# Altium PCB BLDC_Motor_Controller.PcbDoc (continued)
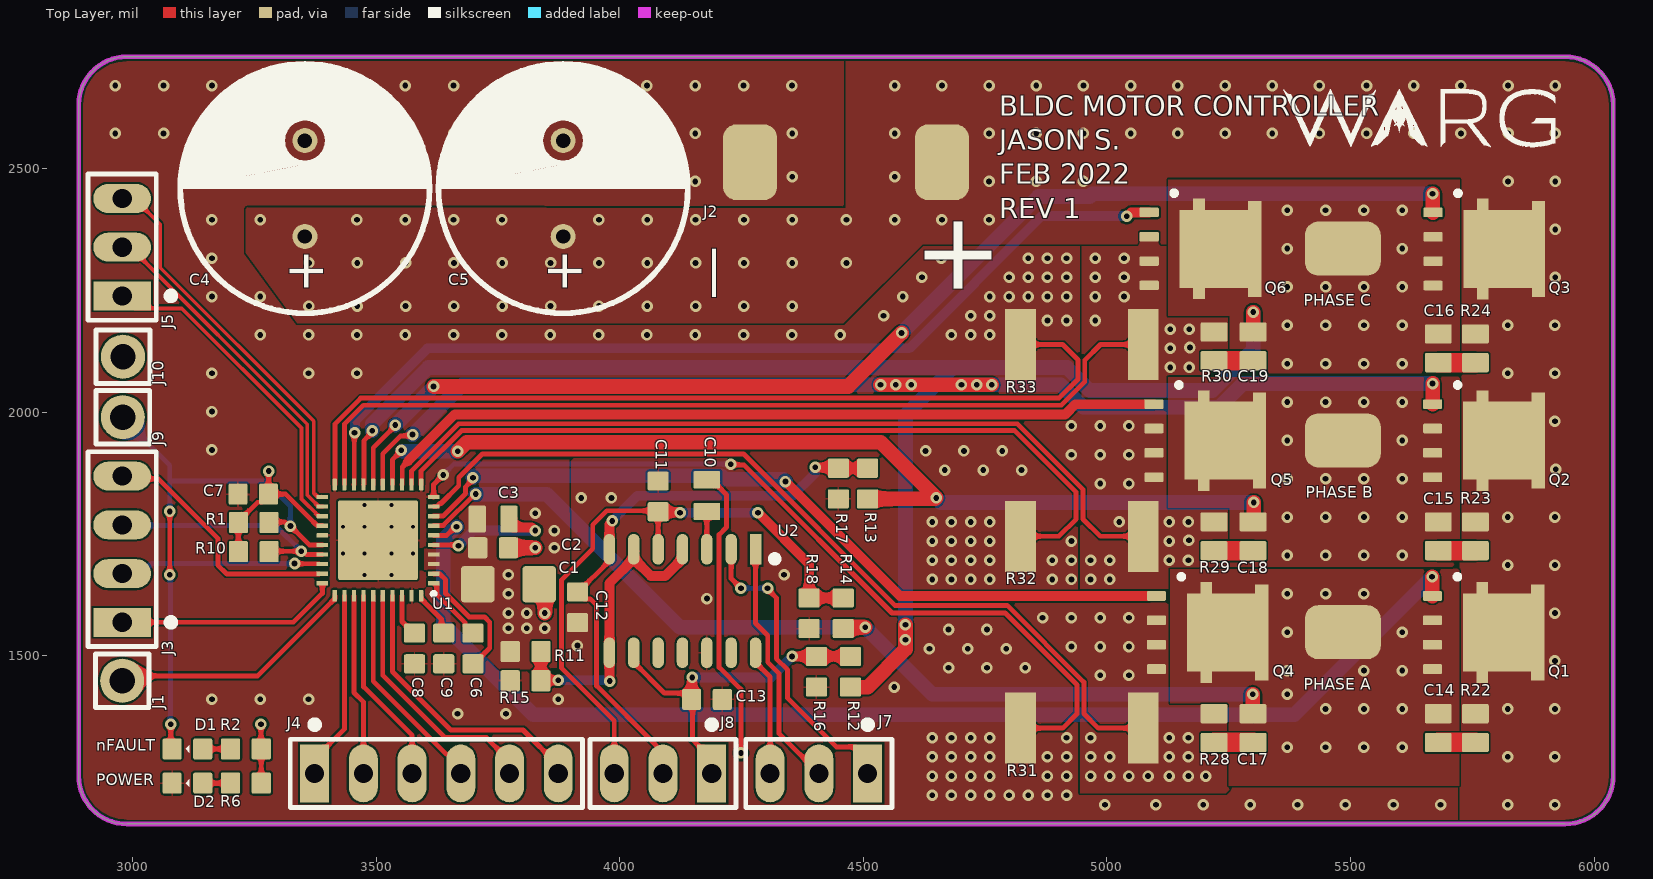
[diagram p0: Top Layer view]
## Part data
C1: library part CAP_10uF_50V_1206_MURATA, "CAP CER 10UF 50V X5R ±20% 1206", Manufacturer 1="Murata Electronics", Manufacturer Part Number 1=GRT31CR61H106ME01L, Package=1206, Supplier Part Number 1=490-12457-1-ND, Temperature Coefficient=X5R, Tolerance=±20%, Voltage=50V, Mounting Type="Surface Mount", Supplier 1=Digi-Key
C2: library part CAP_0.1uF_50V_0603_KEMET, "CAP CER 0.1UF 50V X7R ±10% 0603", LCSC Part #=C129621, Manufacturer 1=KEMET, Manufacturer Part Number 1=C0603C104K5RACAUTO, Package=0603, Temperature Coefficient=X7R, Tolerance=±10%, Voltage=50V, Mounting Type="Surface Mount", Supplier 1=LCSC, Supplier Part Number 1=C129621
C3 C10: library part CAP_1uF_50V_0805_MURATA, "CAP CER 1UF 50V X7R ±10% 0805", Manufacturer 1="Murata Electronics", Manufacturer Part Number 1=GCJ21BR71H105KA01L, Package=0805, Supplier Part Number 1=490-10667-1-ND, Temperature Coefficient=X7R, Tolerance=±10%, Voltage=50V, Mounting Type="Surface Mount", Supplier 1=Digi-Key
C4 C5: "Aluminum Electrolytic Capacitor, Polarized, Aluminum 35V, 20% +Tol, 20% -Tol, 680uF, Through Hole Mount", Capacitance=680uF, Case/Package=Radial, Manufacturer=Rubycon, Manufacturer Part Number=35ZLG680MEFC12.5X20, Max Operating Temperature=105°C, Min Operating Temperature=-40°C, Package Quantity=1000, Ripple Current=2.48A, Supplier Part Number 1=1189-3696-ND, Tolerance=20%, Voltage Rating=35V, Category="Aluminum Electrolytic Capacitors", ComponentLink1Description=http://www.rubycon.co.jp/en/catalog/e_pdfs/aluminum/e_zlg.pdf?src-supplier=Digi-Key, ComponentLink1URL=http://www.rubycon.co.jp/en/catalog/e_pdfs/aluminum/e_zlg.pdf?src-supplier=Digi-Key, Diameter=12.5mm, Height=20mm, Height - Seated (Max)=0.866inch, Impedance=13mR, Lead Pitch=0.197inch, Life (Hours)=5000Hour, Mount="Through Hole", Packaging=Bulk, Pricing 1="1=1.10000, 10=0.86900, 50=0.75280, 100=0.65150, 500=0.49226, 1000=0.43436, 2500=0.40540, 5000=0.39092 (USD)", RoHS=Yes, RoHS Compliant=Yes, Series=ZLG, Stock 1=1633, Supplier 1=Digi-Key, Voltage Rating (DC)=35V
C6: "C0603C 47nF Ceramic Multilayer Capacitor; 50 VDC; +125degC; X7R Dielec; +/-10%", Capacitance=47nF, Case Code (Imperial)=0603, Case Code (Metric)=1608, Dielectric=X7R, Dielectric Material=Ceramic, Manufacturer=KEMET, Manufacturer Part Number=C0603C473K5RACTU, Max Operating Temperature=125°C, Min Operating Temperature=-55°C, Package Quantity=1, Supplier Part Number 1=399-C0603C473K5RAC7867CT-ND, Tolerance=10%, Voltage=50V, Case/Package=0603, Category="Ceramic Capacitors", ComponentLink1Description=https://datasheet.ciiva.com/6074/1776093-6074329.pdf?src-supplier=Farnell, ComponentLink1URL=https://datasheet.ciiva.com/6074/1776093-6074329.pdf?src-supplier=Farnell, ComponentLink2Description=https://datasheet.ciiva.com/28682/1851736-28682298.pdf?src-supplier=Element14, ComponentLink2URL=https://datasheet.ciiva.com/28682/1851736-28682298.pdf?src-supplier=Element14, ComponentLink3Description=https://datasheet.ciiva.com/18193/getdatasheetpartid-94279-18193115.pdf?src-supplier=Verical, ComponentLink3URL=https://datasheet.ciiva.com/18193/getdatasheetpartid-94279-18193115.pdf?src-supplier=Verical, ComponentLink4Description=https://datasheet.ciiva.com/7823/1776093-7823803.pdf?src-supplier=Element14, ComponentLink4URL=https://datasheet.ciiva.com/7823/1776093-7823803.pdf?src-supplier=Element14, ComponentLink5Description=https://datasheet.ciiva.com/7823/1776093-7823804.pdf?src-supplier=Element14, ComponentLink5URL=https://datasheet.ciiva.com/7823/1776093-7823804.pdf?src-supplier=Element14, Construction=Flat, Depth=0.8mm, Dissipation Factor=2.5%, Height=0.8mm, Lead Pitch=0.7mm, Length=1.6mm, Mount="Surface Mount,PCB", Number of Pins=2, Packaging="Tape and Reel", Pricing 1="1=0.10000, 10=0.06800, 50=0.03700, 100=0.03020, 500=0.02156, 1000=0.01694 (USD)", Radiation Hardening=No, REACH SVHC="No SVHC", RoHS=Yes, RoHS Compliant=Yes, Series=C, Stock 1=1411387, Supplier 1=Digi-Key, Termination=SMD/SMT, Thickness=0.034inch, Voltage Rating=50V, Voltage Rating (DC)=50V, Width=0.8mm
C7: "Cap 100NF 25V 0603 SMD 10% X7R (reel)", Capacitance=0.1uF, Case Code (Imperial)=0603, Case Code (Metric)=1608, Dielectric=X7R, Manufacturer=Yageo, Manufacturer Part Number=CC0603KRX7R8BB104, Max Operating Temperature=125°C, Min Operating Temperature=-55°C, Package Quantity=1, Resistor Type=Ceramic, Supplier Part Number 1=311-1341-1-ND, Tolerance=10%, Voltage=25V, Case/Package=0603, Category="Ceramic Capacitors", ComponentLink1Description=https://datasheet.ciiva.com/144/mlccorderingcode-144075.pdf?src-supplier=Digi-Key, ComponentLink1URL=https://datasheet.ciiva.com/144/mlccorderingcode-144075.pdf?src-supplier=Digi-Key, ComponentLink2Description=https://datasheet.ciiva.com/11786/0900766b80c10176-11786120.pdf?src-supplier=RSComponents, ComponentLink2URL=https://datasheet.ciiva.com/11786/0900766b80c10176-11786120.pdf?src-supplier=RSComponents, ComponentLink3Description=https://datasheet.ciiva.com/7978/1489800-7978155.pdf?src-supplier=Element14, ComponentLink3URL=https://datasheet.ciiva.com/7978/1489800-7978155.pdf?src-supplier=Element14, ComponentLink4Description=https://datasheet.ciiva.com/28450/1489800-28450584.pdf?src-supplier=Element14, ComponentLink4URL=https://datasheet.ciiva.com/28450/1489800-28450584.pdf?src-supplier=Element14, ComponentLink5Description=https://datasheet.ciiva.com/144/mlccorderingcode-144074.pdf?src-supplier=Digi-Key, ComponentLink5URL=https://datasheet.ciiva.com/144/mlccorderingcode-144074.pdf?src-supplier=Digi-Key, ComponentLink6Description=https://datasheet.ciiva.com/144/mlccorderingcode-144073.pdf?src-supplier=Digi-Key, ComponentLink6URL=https://datasheet.ciiva.com/144/mlccorderingcode-144073.pdf?src-supplier=Digi-Key, ComponentLink7Description=https://datasheet.ciiva.com/13389/upy-gphc-x7r-6-3v-to-50v-8-13389352.pdf?src-supplier=Mouser, ComponentLink7URL=https://datasheet.ciiva.com/13389/upy-gphc-x7r-6-3v-to-50v-8-13389352.pdf?src-supplier=Mouser, ComponentLink8Description=https://datasheet.ciiva.com/11587/upy-gphc-x7r-6-3v-to-50v-8-11587208.pdf?src-supplier=Avnet, ComponentLink8URL=https://datasheet.ciiva.com/11587/upy-gphc-x7r-6-3v-to-50v-8-11587208.pdf?src-supplier=Avnet, ComponentLink9Description=https://datasheet.ciiva.com/26829/getdatasheetpartid-403577-26829431.pdf?src-supplier=Verical, ComponentLink9URL=https://datasheet.ciiva.com/26829/getdatasheetpartid-403577-26829431.pdf?src-supplier=Verical, ComponentLink10Description=https://datasheet.ciiva.com/17434/upy-gphc-x7r-6-3v-to-50v-8-17434263.pdf?src-supplier=Avnet+Europe, ComponentLink10URL=https://datasheet.ciiva.com/17434/upy-gphc-x7r-6-3v-to-50v-8-17434263.pdf?src-supplier=Avnet+Europe, Depth=0.8mm, Halogen Free="Halogen Free", Height=0.8mm, Lead Free="Lead Free", Length=1.6mm, Mount="Surface Mount", Number of Pins=2, Packaging="Tape and Reel", Pricing 1="1=0.10000, 10=0.04800, 50=0.02600, 100=0.02120, 500=0.01516, 1000=0.01192 (USD)", Radiation Hardening=No, REACH SVHC=Unknown, RoHS=Yes, RoHS Compliant=Yes, Series=CC, Stock 1=4909660, Supplier 1=Digi-Key, Termination=SMD/SMT, Thickness=0.035inch, Voltage Rating=25V, Voltage Rating (DC)=25V, Width=0.8mm
C8 C9: "CAP CER 1UF 25V X7R ±10% 0603", Capacitance=1uF, Case Code (Imperial)=0603, Case Code (Metric)=1608, Dielectric=X7R, Manufacturer=Murata, Manufacturer Part Number=GCM188R71E105KA64D, Max Operating Temperature=125°C, Min Operating Temperature=-55°C, Package Quantity=4000, Ratings=AEC-Q200, Supplier Part Number 1=490-10673-1-ND, Tolerance=10%, Voltage=25V, Case/Package=0603, Category="Ceramic Capacitors", ComponentLink1Description=https://datasheet.ciiva.com/11786/0900766b80ef92d0-11786738.pdf?src-supplier=RSComponents, ComponentLink1URL=https://datasheet.ciiva.com/11786/0900766b80ef92d0-11786738.pdf?src-supplier=RSComponents, ComponentLink2Description=https://datasheet.ciiva.com/11616/product-11616499.pdf?src-supplier=Avnet, ComponentLink2URL=https://datasheet.ciiva.com/11616/product-11616499.pdf?src-supplier=Avnet, ComponentLink3Description=https://datasheet.ciiva.com/26843/getdatasheetpartid-562446-26843671.pdf?src-supplier=Verical, ComponentLink3URL=https://datasheet.ciiva.com/26843/getdatasheetpartid-562446-26843671.pdf?src-supplier=Verical, ComponentLink4Description=https://datasheet.ciiva.com/16624/product-16624556.pdf?src-supplier=Avnet+Europe, ComponentLink4URL=https://datasheet.ciiva.com/16624/product-16624556.pdf?src-supplier=Avnet+Europe, Construction=Flat, Depth=0.8mm, Height=0.8mm, Lead Free="Lead Free", Length=1.6mm, Mount="Surface Mount", Packaging="Tape and Reel", Pricing 1="1=0.26000, 10=0.17800, 50=0.10700, 100=0.09030, 500=0.06178, 1000=0.05465 (USD)", Radiation Hardening=No, REACH SVHC="No SVHC", RoHS=Yes, RoHS Compliant=Yes, Series=GCM, Supplier 1=Digi-Key, Termination=SMD/SMT, Thickness=0.035inch, Voltage Rating=25V, Voltage Rating (DC)=25V, Weight=0.000222oz, Width=0.031inch
C11 C12 C13: "贴片电容（MLCC） 1000pF ±5.0% 50V X7R 0603", Capacitance=1nF, Case Code (Imperial)=0603, Case Code (Metric)=1608, Dielectric=X7R, Insulation Resistance=10GR, Manufacturer=Yageo, Manufacturer Part Number=CC0603JRX7R9BB102, Max Operating Temperature=125°C, Min Operating Temperature=-55°C, Resistor Type=Ceramic, Supplier Part Number 1=311-3361-1-ND, Tolerance=5%, Voltage Rating=50V, Case/Package=0603, Category="Ceramic Capacitors", ComponentLink1Description=https://datasheet.ciiva.com/26829/getdatasheetpartid-403547-26829402.pdf?src-supplier=Verical, ComponentLink1URL=https://datasheet.ciiva.com/26829/getdatasheetpartid-403547-26829402.pdf?src-supplier=Verical, Depth=0.8mm, Dissipation Factor=2.5%, Halogen Free="Halogen Free", Height=0.8mm, Lead Free="Lead Free", Length=1.6mm, Mount="Surface Mount", Number of Pins=2, Packaging="Tape and Reel", Pricing 1="1=0.10000, 10=0.05400, 50=0.02960, 100=0.02410, 500=0.01720, 1000=0.01352 (USD)", Radiation Hardening=No, RoHS=Yes, RoHS Compliant=Yes, Series=CC, Stock 1=132835, Supplier 1=Digi-Key, Termination=SMD/SMT, Thickness=0.035inch, Voltage Rating (DC)=50V, Width=0.8mm
C14 C15 C16 C17 C18 C19: library part CAP_OVERSIZED, "EMPTY PART FOR RC SNUBBER CIRCUIT (I just wanted the symbol and footprint to place)"
D1: "LED RED 2V 0603", Color=Red, Forward Voltage=2V, Manufacturer 1="Lite-On Inc.", Manufacturer Part Number 1=LTST-C194KRKT, Package=0603, Supplier Part Number 1=160-1835-1-ND, Mounting Type="Surface Mount", Supplier 1=Digi-Key
D2: "LED GREEN 2.1V 0603", Color=Green, Forward Voltage=2.1V, Manufacturer 1=SunLED, Manufacturer Part Number 1=XZVG53W-8, Package=0603, Supplier Part Number 1=1497-1215-1-ND, Mounting Type="Surface Mount", Supplier 1=Digi-Key
J1 J9 J10: "Male Conn Header Vert 1POS Through Hole", Color=Black, Manufacturer=Sullins, Manufacturer Part Number=PREC001SFAN-RC, Package Quantity=1, Supplier Part Number 1=S1212EC-01-ND, Category=Connectors, ComponentLink1Description=https://datasheet.ciiva.com/740/xrxczzzsxxn-rc-st-11635-b-740964.pdf?src-supplier=Digi-Key, ComponentLink1URL=https://datasheet.ciiva.com/740/xrxczzzsxxn-rc-st-11635-b-740964.pdf?src-supplier=Digi-Key, Connector Type="Male Pin", Contact Mating Length=0.318inch, Contact Plating=Tin, Contact Type="Male Pin", Mount="Through Hole", Number of Positions=1, Number of Rows=1, Packaging=Bulk, Pricing 1="1=0.05000, 10=0.03400, 25=0.03160, 50=0.02360, 100=0.02020, 250=0.01948, 500=0.01680 (USD)", RoHS=Yes, Series=-, Stock 1=29218, Supplier 1=Digi-Key, Termination=Solder
J2: "Pads for power supply wires"
J3: "CONN HEADER 4X1 2.54MM MALE VERT TH", Manufacturer 1=Molex, Manufacturer Part Number 1=0022032041, Supplier Part Number 1=WM4002-ND, Connector Type=Header, Contact Type="Male Pin", Mounting Type="Through Hole", Number of Positions=4, Number of Rows=1, Pitch=2.54mm, Supplier 1=Digi-Key
J4: "CONN HEADER 6X1 2.54MM MALE VERT TH", Manufacturer 1=Molex, Manufacturer Part Number 1=0022032061, Supplier Part Number 1=WM4004-ND, Connector Type=Header, Contact Type="Male Pin", Mounting Type="Through Hole", Number of Positions=6, Number of Rows=1, Pitch=2.54mm, Supplier 1=Digi-Key
J5 J7 J8: library part CON_3X1_2.54MM_MALE_VERT_TH_HDR, "CONN HEADER 3X1 2.54MM MALE VERT TH", Manufacturer 1=Molex, Manufacturer Part Number 1=0022102031, Supplier Part Number 1=WM2723-ND, Connector Type=Header, Contact Type="Male Pin", Mounting Type="Through Hole", Number of Positions=3, Number of Rows=1, Pitch=2.54mm, Supplier 1=Digi-Key
Q1 Q2 Q3 Q4 Q5 Q6: "N-Channel 40 V 1.35 mOhm 69.4 W TrenchFET Gen IV Mosfet - PowerPAK SO-8", Continuous Drain Current (ID)=80A, Drain to Source Voltage (Vdss)=40V, Input Capacitance=9.4nF, Manufacturer="Vishay Siliconix", Max Operating Temperature=150°C, Max Power Dissipation=69.4W, Min Operating Temperature=-55°C, Supplier Part Number 1=SIJ438DP-T1-GE3CT-ND, Category=MOSFETs, ComponentLink1Description=http://www.vishay.com/docs/69684/sij438dp.pdf?src-supplier=Digi-Key, ComponentLink1URL=http://www.vishay.com/docs/69684/sij438dp.pdf?src-supplier=Digi-Key, Manufacturer Part Number=SIJ438DP-T1-GE3, Mount="Surface Mount", Packaging="Cut Tape", Pricing 1="1=1.81000, 10=1.62100, 100=1.26370, 500=1.04396, 1000=0.82418 (USD)", Rds On Max=1.35mR, RoHS=Yes, Stock 1=1300, Supplier 1=Digi-Key
R1 R10 R16 R17 R18: "RES 10K OHM ±1% 1/10W 0603", Manufacturer 1=Yageo, Manufacturer Part Number 1=RC0603FR-0710KL, Package=0603, Power Rating=1/10W, Supplier Part Number 1=311-10.0KHRCT-ND, Tolerance=±1%, Mounting Type="Surface Mount", Supplier 1=Digi-Key
R2: "RES 2.61k OHM ±1% 1/10W 0603", Case Code (Imperial)=0603, Case Code (Metric)=1608, Manufacturer=Yageo, Manufacturer Part Number=RC0603FR-072K61L, Max Operating Temperature=155°C, Max Power Dissipation=100mW, Min Operating Temperature=-55°C, Resistance=2.61kΩ, Resistor Type="Thick Film", Supplier Part Number 1=311-2.61KHRCT-ND, Temperature Coefficient=100ppm/°C, Tolerance=1%, Voltage Rating=75V, Voltage Rating (DC)=50V, Case/Package=0603, Category="Chip SMD Resistors", ComponentLink1Description=http://www.mouser.com/ds/2/447/RC0603-272842.pdf?src-supplier=Mouser, ComponentLink1URL=http://www.mouser.com/ds/2/447/RC0603-272842.pdf?src-supplier=Mouser, ComponentLink2Description=http://components.arrow.com/part/dataview/0323_03543055?src-supplier=Arrow+Europe, ComponentLink2URL=http://components.arrow.com/part/dataview/0323_03543055?src-supplier=Arrow+Europe, ComponentLink3Description=https://www.verical.com/server-webapp/html/getDatasheet?partID=329504&src-supplier=Verical, ComponentLink3URL=https://www.verical.com/server-webapp/html/getDatasheet?partID=329504&src-supplier=Verical, ComponentLink4Description=http://www.yageo.com/documents/recent/PYu-RC_Group_51_RoHS_L_10.pdf?src-supplier=Digi-Key, ComponentLink4URL=http://www.yageo.com/documents/recent/PYu-RC_Group_51_RoHS_L_10.pdf?src-supplier=Digi-Key, ComponentLink5Description=http://www.yageo.com/documents/recent/PYu-RC_Group_51_RoHS_L_9.pdf?src-supplier=Digi-Key, ComponentLink5URL=http://www.yageo.com/documents/recent/PYu-RC_Group_51_RoHS_L_9.pdf?src-supplier=Digi-Key, ComponentLink6Description=http://www.yageo.com/documents/recent/PYu-RC0603_51_RoHS_L_7.pdf?src-supplier=Future+Electronics, ComponentLink6URL=http://www.yageo.com/documents/recent/PYu-RC0603_51_RoHS_L_7.pdf?src-supplier=Future+Electronics, Construction=Rectangular, Depth=0.8mm, Features="Moisture Resistant", Height=0.45mm, Lead Free="Lead Free", Length=1.6mm, Military Standard=Not, Number of Terminations=2, Packaging="Tape and Reel", Power Rating=100mW, Pricing 1="1=0.10000, 10=0.02400, 100=0.00970, 1000=0.00436, 2500=0.00378 (USD)", RoHS=Yes, RoHS Compliant=Yes, Series=RC, Size Code=0603, Stock 1=270901, Supplier 1=Digi-Key, Termination=SMD/SMT, Weight=7.1E-05oz, Width=0.8mm
R6: "RES 2.4K OHM ±1% 1/10W 0603", Manufacturer 1=Yageo, Manufacturer Part Number 1=RC0603FR-072K4L, Package=0603, Power Rating=1/10W, Supplier Part Number 1=311-2.40KHRCT-ND, Tolerance=±1%, Mounting Type="Surface Mount", Supplier 1=Digi-Key
R11 R12 R13 R14: "SMD Current Sense Resistors, TLR Series, 0.002 ohm, 2 W, - 1%, 2512 [6432 Metric]", Case Code (Imperial)=0603, Case Code (Metric)=1608, Manufacturer=Yageo, Manufacturer Part Number=RC0603FR-07150KL, Max Operating Temperature=155°C, Max Power Dissipation=100mW, Min Operating Temperature=-55°C, Number of Resistors=1, Resistance=150kΩ, Resistance Tolerance=1%, Resistor Type="Thick Film", Supplier Part Number 1=311-150KHRCT-ND, Temperature Coefficient=100ppm/°C, Voltage Rating=50V, Case/Package=0603, Category="Chip SMD Resistors", ComponentLink1Description=https://datasheet.ciiva.com/46412/443971-46412843.pdf?src-supplier=Element14, ComponentLink1URL=https://datasheet.ciiva.com/46412/443971-46412843.pdf?src-supplier=Element14, ComponentLink2Description=https://datasheet.ciiva.com/46440/1868787-46440892.pdf?src-supplier=Element14, ComponentLink2URL=https://datasheet.ciiva.com/46440/1868787-46440892.pdf?src-supplier=Element14, ComponentLink3Description=https://datasheet.ciiva.com/2454/pyu-r-int-thick-7-2454079.pdf?src-supplier=Digi-Key, ComponentLink3URL=https://datasheet.ciiva.com/2454/pyu-r-int-thick-7-2454079.pdf?src-supplier=Digi-Key, ComponentLink4Description=https://datasheet.ciiva.com/2454/pyu-r-int-thick-7-2454080.pdf?src-supplier=Digi-Key, ComponentLink4URL=https://datasheet.ciiva.com/2454/pyu-r-int-thick-7-2454080.pdf?src-supplier=Digi-Key, ComponentLink5Description=https://datasheet.ciiva.com/2454/pyu-r-int-thick-7-2454078.pdf?src-supplier=Digi-Key, ComponentLink5URL=https://datasheet.ciiva.com/2454/pyu-r-int-thick-7-2454078.pdf?src-supplier=Digi-Key, ComponentLink6Description=https://datasheet.ciiva.com/7746/443971-7746254.pdf?src-supplier=Element14, ComponentLink6URL=https://datasheet.ciiva.com/7746/443971-7746254.pdf?src-supplier=Element14, ComponentLink7Description=https://datasheet.ciiva.com/7746/443971-7746255.pdf?src-supplier=Element14, ComponentLink7URL=https://datasheet.ciiva.com/7746/443971-7746255.pdf?src-supplier=Element14, ComponentLink8Description=https://datasheet.ciiva.com/15189/getdatasheetpartid-326478-15189611.pdf?src-supplier=Verical, ComponentLink8URL=https://datasheet.ciiva.com/15189/getdatasheetpartid-326478-15189611.pdf?src-supplier=Verical, ComponentLink9Description=https://datasheet.ciiva.com/25608/0900766b81196d57-25608892.pdf?src-supplier=RSComponents, ComponentLink9URL=https://datasheet.ciiva.com/25608/0900766b81196d57-25608892.pdf?src-supplier=RSComponents, ComponentLink10Description=https://datasheet.ciiva.com/7823/1610596-7823541.pdf?src-supplier=Element14, ComponentLink10URL=https://datasheet.ciiva.com/7823/1610596-7823541.pdf?src-supplier=Element14, ComponentLink11Description=https://datasheet.ciiva.com/46439/1610596-46439141.pdf?src-supplier=Element14, ComponentLink11URL=https://datasheet.ciiva.com/46439/1610596-46439141.pdf?src-supplier=Element14, Construction=Rectangular, Depth=0.8mm, ELV=Compliant, Features="Moisture Resistant", Height=0.022inch, Lead Free="Lead Free", Length=0.063inch, Military Standard=Not, Mount="Surface Mount", Number of Pins=2, Number of Terminations=2, Package Quantity=1, Packaging="Tape and Reel", Power Rating=100mW, Pricing 1="1=0.10000, 10=0.02400, 100=0.00970, 1000=0.00436, 2500=0.00378 (USD)", Pricing 2="1=0.92000, 10=0.79600, 25=0.69960, 50=0.63940, 100=0.55500, 250=0.48256, 500=0.40054, 1000=0.32815 (USD)", REACH SVHC="No SVHC", RoHS=Yes, RoHS Compliant=Yes, Series=RC, Size Code=0603, Stock 1=132, Stock 2=1235, Supplier 1=Digi-Key, Technology="METAL STRIP", Termination=SMD/SMT, Tolerance=1%, Voltage Rating (DC)=50V, Width=0.031inch
R15: library part RES_4.02kΩ_0603_1%, "RES 4.02k OHM ±1% 1/10W 0603", Case Code (Imperial)=0603, Case Code (Metric)=1608, Manufacturer=Yageo, Manufacturer Part Number=RC0603FR-074K02L, Max Operating Temperature=155°C, Max Power Dissipation=100mW, Min Operating Temperature=-55°C, Package Quantity=5000, Resistance=4.02kΩ, Resistor Type="Thick Film", Supplier Part Number 1=82AH8148, Temperature Coefficient=100ppm/°C, Tolerance=1%, Voltage Rating=50V, Working Voltage=75V, Case/Package=0603, Category="Chip SMD Resistors", ComponentLink1Description=https://datasheet.ciiva.com/2454/pyu-r-int-thick-7-2454036.pdf?src-supplier=Digi-Key, ComponentLink1URL=https://datasheet.ciiva.com/2454/pyu-r-int-thick-7-2454036.pdf?src-supplier=Digi-Key, ComponentLink2Description=https://datasheet.ciiva.com/15189/getdatasheetpartid-323806-15189751.pdf?src-supplier=Verical, ComponentLink2URL=https://datasheet.ciiva.com/15189/getdatasheetpartid-323806-15189751.pdf?src-supplier=Verical, Construction=Rectangular, Depth=0.8mm, Features="Moisture Resistant", Height=0.022inch, Lead Free="Lead Free", Length=0.063inch, Military Standard=Not, Number of Terminations=2, Packaging="Tape and Reel", Power Rating=100mW, Pricing 1="10=0.01200, 25=0.00900, 50=0.00700, 100=0.00500 (USD)", RoHS=Yes, RoHS Compliant=Yes, Series=RC, Stock 1=7570, Supplier 1=Newark, Technology="METAL OXIDE FILM", Termination=SMD/SMT, Voltage Rating (DC)=50V, Width=0.031inch
R22 R23 R24 R28 R29 R30: "EMPTY PART FOR RC SNUBBER CIRCUIT (I just wanted the symbol and footprint to place)"
R31 R32 R33: library part "RES_2512 (current sense)", "SMD Current Sense Resistors, TLR Series, 0.002 ohm, 2 W, - 1%, 2512 [6432 Metric]", Case Code (Imperial)=2512, Case Code (Metric)=6432, Manufacturer="TE Connectivity", Manufacturer Part Number=TLR3A20DR002FTDG, Max Operating Temperature=170°C, Min Operating Temperature=-55°C, Number of Resistors=1, Power Rating=2W, Resistance=2mΩ, Resistance Tolerance=1%, Resistor Type="Metal Strip", Supplier Part Number 1=A129566CT-ND, Temperature Coefficient=50ppm/°C, Case/Package=2512, Category="Chip SMD Resistors", ComponentLink1Description=https://datasheet.ciiva.com/25608/0900766b81196d57-25608892.pdf?src-supplier=RSComponents, ComponentLink1URL=https://datasheet.ciiva.com/25608/0900766b81196d57-25608892.pdf?src-supplier=RSComponents, ComponentLink2Description=https://datasheet.ciiva.com/7823/1610596-7823541.pdf?src-supplier=Element14, ComponentLink2URL=https://datasheet.ciiva.com/7823/1610596-7823541.pdf?src-supplier=Element14, ComponentLink3Description=https://datasheet.ciiva.com/46439/1610596-46439141.pdf?src-supplier=Element14, ComponentLink3URL=https://datasheet.ciiva.com/46439/1610596-46439141.pdf?src-supplier=Element14, Depth=3.2mm, ELV=Compliant, Height=0.6mm, Length=6.4mm, Mount="Surface Mount", Number of Terminations=2, Packaging="Tape and Reel", Pricing 1="1=0.90000, 10=0.78100, 25=0.68600, 50=0.62680, 100=0.54410, 250=0.47312, 500=0.39268, 1000=0.32172 (USD)", REACH SVHC="No SVHC", RoHS=Yes, RoHS Compliant=Yes, Series=TLR, Stock 1=11294, Supplier 1=Digi-Key, Technology="METAL STRIP", Termination=Solder, Tolerance=1%
U1: "Multiphase Motor Driver Power MOSFET PWM, SPI 40-WQFN (6x6)", Manufacturer="Texas Instruments", Package="40-WFQFN Exposed Pad", Supplier Part Number 1=296-DRV8353FSRTARCT-ND, Manufacturer Part Number 1=DRV8353FSRTAR, Mounting Type="Surface Mount", Supplier 1=Digi-Key
U2: "Low offset, quad differential comparator, automotive grade 14-SOIC -40 to 85", Case/Package=SOIC, Input Bias Current=250nA, Input Offset Voltage (Vos)=7mV, Manufacturer="Texas Instruments", Manufacturer Part Number=LM2901MX/NOPB, Max Dual Supply Voltage=18V, Max Operating Temperature=85°C, Max Power Dissipation=760mW, Max Supply Voltage=36V, Min Dual Supply Voltage=1V, Min Operating Temperature=-40°C, Min Supply Voltage=2V, Nominal Supply Current=2mA, Output Current=16mA, Supplier Part Number 1=LM2901MX/NOPBCT-ND, Voltage Gain=100dB, Category=Comparators, ComponentLink1Description=https://datasheet.ciiva.com/49046/1902682-49046154.pdf?src-supplier=Element14, ComponentLink1URL=https://datasheet.ciiva.com/49046/1902682-49046154.pdf?src-supplier=Element14, ComponentLink2Description=https://datasheet.ciiva.com/46382/1888794-46382543.pdf?src-supplier=Element14, ComponentLink2URL=https://datasheet.ciiva.com/46382/1888794-46382543.pdf?src-supplier=Element14, Contact Plating=Tin,Matte, Lead Free="Lead Free", Mount="Surface Mount", Number of Channels=4, Number of Elements=4, Number of Pins=14, Packaging="Tape and Reel", Power Dissipation=760mW, Pricing 1="1=1.05000, 10=0.93800, 25=0.89040, 100=0.73140, 250=0.68368, 500=0.60420, 1000=0.52500 (USD)", Quiescent Current=2mA, Radiation Hardening=No, REACH SVHC="No SVHC", Response Time=1.3us, RoHS=Yes, RoHS Compliant=Yes, Supplier 1=Digi-Key

## Free pads (board coordinates)
  rrect50% 155.91x111.02 smd: 3(5484.02,1942.4) 4(5484.02,2336.1) 5(5484.02,1548.7)

## Via types
v1: diameter 23.62, hole 11.81, Top Layer to Bottom Layer, tented both sides, 425 vias
v2: diameter 7.87, hole 7.87, Top Layer to Bottom Layer, tented both sides, 12 vias

## Nets (pads, with @x,y where several pads share a name; then routed paths per layer and width w, separated by ;. In a path a pad name is that pad's centre, name@x,y a point inside that pad or via, vN(x,y) a via of type N, cw(c..) or ccw(c..) an arc to the next point about the centre after c; other vN are vias at no path point)
COMP_A: C11.2 J8.3 R14.1 R18.2 U2.5 | length 1299.8
  Top Layer w10: J8.3 3988.66,1366.89 3880.17,1475.38 3880.17,1655.49 3944.65,1719.96 3944.65,1769.1 3973.44,1797.9 4076.75,1797.9 C11.2 U2.5
  Top Layer w20: C11.2 4079.98,1794.67 4122.97,1794.67 v1(4123.66,1793.98) ; v1(4283.66,1793.98) 4388.66,1688.98 R18.2 R14.1
  Bottom Layer w20: v1(4123.66,1793.98) v1(4283.66,1793.98)
COMP_B: C12.2 J8.2 R13.1 R17.2 U2.7 | length 1206
  Top Layer w10: U2.7 3976.05,1716.37 3976.05,1692.31 3915.12,1631.38 C12.2 3927.37,1617.16 3939.18,1617.16 3952.52,1603.82 3952.52,1438.46 4073.9,1317.09 4073.9,1316.79 4088.66,1302.02 J8.2
  Top Layer w20: U2.7 3978.66,1770.32 3984.35,1776.01 v1(3984.35,1776.99) ; v1(4401.34,1887.28) 4402.03,1886.59 4447.43,1886.59 R17.2 R13.1
  Bottom Layer w20: v1(3984.35,1776.99) 4036.34,1828.98 4354.84,1828.98 4400.65,1874.78 4400.65,1886.59 v1(4401.34,1887.28)
COMP_C: C13.2 J8.1 R12.1 R16.2 U2.9 | length 727.5
  Top Layer w10: U2.9 4028.66,1486.69 4091.73,1423.62 4136.29,1423.62 C13.2@4148.2,1411.71 ; C13.2 4149.41,1408.9 4149.41,1327.91 4188.66,1288.66 J8.1
  Top Layer w20: C13.2 4148.2,1411.71 4148.2,1455.21 v1(4148.9,1455.91) ; v1(4353.66,1498.98) R16.2 R12.1
  Bottom Layer w20: v1(4148.9,1455.91) 4310.59,1455.91 v1(4353.66,1498.98)
GND: C1.1 C2.1 C4.2 C5.2 C7.1 C8.1 C9.1 C11.1 C12.1 C13.1 D2.2 J2.2 R15.1 R16.1 R17.1 R18.1 R31.1 R32.1 R33.1 U1.10 U1.11 U1.20 U1.25 U1.39 U1.41 U2.12 | length 5358.7
  Top Layer w10: U1.20 3415.12,1975.87 3420.8,1981.55 3420.8,1981.67 3468.15,2029.02 4901.22,2029.02 4940.5,2068.29 4940.5,2107.96 4909.21,2139.25 R33.1 ; U1.11 3592.28,1879.66 3675.09,1962.46 4810.41,1962.46 4936.57,1836.31 4936.57,1780.78 4901.34,1745.55 R32.1 ; U1.10 3617.87,1851.85 v1(3637.56,1871.54) ; v1(4227.88,1893.56) 4229.23,1892.2 4254.69,1892.2 4558.82,1588.07 4790.99,1588.07 4938.52,1440.54 4938.52,1381.16 4909.21,1351.85 R31.1
  Top Layer w30: C2.1 v1(3826.54,1721.93) ; C1.1 3846.22,1635.32 v1(3846.22,1588.07)
  Bottom Layer w10: v1(3637.56,1871.54) 3659.58,1893.56 v1(4227.88,1893.56)
  other v1: 4995.83,1194.37 5100.55,1194.37 5197.4,1194.37 5294.25,1194.37 5391.1,1194.37 5489.53,1194.37 5587.95,1194.37 5684.8,1194.37 4641.5,1214.06 4680.87,1214.06 4720.24,1214.06 4759.61,1214.06 4798.98,1214.06 4838.35,1214.06 4877.72,1214.06 4917.09,1214.06 4641.5,1253.43 4680.87,1253.43 4720.24,1253.43 4759.61,1253.43 4877.72,1253.43 4917.09,1253.43 4641.5,1292.8 4680.87,1292.8 4720.24,1292.8 4759.61,1292.8 4877.72,1292.8 4917.09,1292.8 4641.5,1332.17 4680.87,1332.17 4720.24,1332.17 4759.61,1332.17 4917.09,1332.17 3667.09,1381.38 3766.3,1381.38 3162.76,1410.91 3261.97,1410.91 3361.18,1410.91 3873.78,1410.91 4563.54,1435.98 4674.96,1475.49 4753.7,1475.49 4832.44,1475.49 4635.59,1514.86 4714.33,1514.86 4793.07,1514.86 3913.15,1521.14 4674.96,1554.23 4753.7,1554.23 4178.9,1617.6 4641.5,1656.97 4680.87,1656.97 4720.24,1656.97 4759.61,1656.97 4887.56,1656.97 4926.93,1656.97 4337.17,1666.81 4641.5,1696.34 4680.87,1696.34 4720.24,1696.34 4759.61,1696.34 4887.56,1696.34 4926.93,1696.34 4641.5,1735.71 4680.87,1735.71 4720.24,1735.71 4759.61,1735.71 4926.93,1735.71 4641.5,1775.08 4680.87,1775.08 4720.24,1775.08 4759.61,1775.08 3921.02,1824.29 3982.83,1824.29 4667.13,1881.42 4745.87,1881.42 4824.61,1881.42 4627.76,1920.79 4706.5,1920.79 4785.24,1920.79 3162.76,1922.72 3162.76,2001.46 3162.76,2080.2 3361.18,2080.2 3460.39,2080.2 3261.97,2158.94 3361.18,2158.94 3460.39,2158.94 3559.61,2158.94 3658.82,2158.94 3758.03,2158.94 3857.24,2158.94 3956.46,2158.94 4055.67,2158.94 4154.88,2158.94 4254.09,2158.94 4353.31,2158.94 4452.52,2158.94 4680.87,2158.94 4720.24,2158.94 4759.61,2158.94 4877.72,2188.46 4917.09,2188.46 4541.5,2198.31 4720.24,2198.31 4759.61,2198.31 3162.76,2237.68 3261.97,2237.68 4580.87,2237.68 4759.61,2237.68 4798.98,2237.68 4838.35,2237.68 4877.72,2237.68 4917.09,2237.68 4620.24,2277.05 4798.98,2277.05 4838.35,2277.05 4877.72,2277.05 4917.09,2277.05 3162.76,2316.42 4659.61,2316.42 4838.35,2316.42 4877.72,2316.42 4917.09,2316.42 3162.76,2395.16 3162.76,2473.9 3261.97,2473.9 3361.18,2473.9 3460.39,2473.9 3559.61,2473.9 3658.82,2473.9 3758.03,2473.9 3857.24,2473.9 4055.67,2473.9 4154.88,2473.9 4354.09,2483.74 2964.33,2572.32 3063.54,2572.32 3162.76,2572.32 3261.97,2572.32 3460.39,2572.32 3559.61,2572.32 3658.82,2572.32 3758.03,2572.32 4055.67,2572.32 4154.88,2572.32 4354.09,2572.32 2964.33,2670.75 3063.54,2670.75 3162.76,2670.75 3261.97,2670.75 3361.18,2670.75 3460.39,2670.75 3559.61,2670.75 3658.82,2670.75 3758.03,2670.75 3857.24,2670.75 3956.46,2670.75 4055.67,2670.75 4154.88,2670.75 4254.09,2670.75 4353.31,2670.75
  other v2: 3476.14,1665.83 3531.26,1665.83 3431.85,1710.12 3476.14,1710.12 3531.26,1710.12 3575.55,1710.12 3431.85,1765.24 3476.14,1765.24 3531.26,1765.24 3575.55,1765.24 3476.14,1809.53 3531.26,1809.53
NetC3_1: C3.1 U1.5 | length 292
  Top Layer w10: U1.5 3667.09,1727.83 v1(3668.83,1726.09)
  Top Layer w20: C3.1 3772.4,1771.14 3780.12,1763.43 3819.49,1763.43 3825.56,1757.36 v1(3826.54,1757.36)
  Bottom Layer w20: v1(3668.83,1726.09) 3700.1,1757.36 v1(3826.54,1757.36)
NetC6_1: C6.1 U1.2 | length 274.2
  Top Layer w10: U1.2 3618.54,1668.11 3630.79,1668.11 3642.56,1656.34 3642.56,1628.11 3690.44,1580.24 3722.4,1580.24 3733.19,1569.44 3733.19,1516.3 3700.63,1483.74 C6.1
NetC6_2: C6.2 U1.1 | length 140.6
  Top Layer w10: U1.1 3624.02,1649.09 3624.68,1648.43 3624.68,1626.19 3682.01,1568.86 3682.01,1561.42 3696.69,1546.73 C6.2
NetC8_2: C8.2 U1.38 | length 88.6
  Top Layer w10: U1.38 3552.91,1570.51 3576.69,1546.73 C8.2
NetC9_2: C9.2 U1.40 | length 88.9
  Top Layer w10: U1.40@3592.95,1616.69 3634.09,1575.56 3634.09,1551.31 C9.2
NetC10_1: C10.1 U2.3 | length 77.5
  Top Layer w10: U2.3 C10.1
NetC14_1: C14.1 R22.2 | length 76.1
  Top Layer w40: C14.1 R22.2
NetC14_2: C14.2 C17.2 pad.5 Q1.3 Q4.1 R14.2 U1.7 | length 1964.8
  Top Layer w10: U1.7 3618.54,1767.87 3637.88,1767.87 3702.18,1832.17 v1(3704.49,1832.17)
  Top Layer w30: R14.2 4461.65,1558.98 v1(4503.66,1558.98) ; v1(5299.21,1421.26) 5299.21,1381.93 C17.2
  Bottom Layer w30: v1(3704.49,1832.17) 3850.24,1832.17 4123.43,1558.98 v1(4503.66,1558.98) 4641.38,1421.26 v1(5299.21,1421.26)
  other v1: 5369.84,1312.48 5448.58,1312.48 5527.32,1312.48 5606.06,1312.48 5448.58,1391.22 5527.32,1391.22 5606.06,1391.22 5369.84,1421.26 5369.84,1469.96 5527.32,1469.96 5606.06,1469.96 5369.84,1548.7 5606.06,1548.7 5369.84,1627.44 5448.58,1627.44 5527.32,1627.44
NetC15_1: C15.1 R23.2 | length 76.1
  Top Layer w40: C15.1 R23.2
NetC15_2: C15.2 C18.2 pad.3 Q2.3 Q5.1 R13.2 U1.14 | length 2064.1
  Top Layer w10: U1.14 3533.23,1902.35 3551.3,1920.42 v1(3551.3,1922.2)
  Top Layer w30: v1(3667.46,1920.21) 3685.71,1938.46 4535.2,1938.46 v1(4649.37,1824.29) 4647.44,1822.36 R13.2 ; C18.2@5300.31,1777.17 5301.18,1778.03 v1(5301.18,1814.96)
  Bottom Layer w30: v1@3553.28,1920.21 v1(3667.46,1920.21) ; v1(4649.37,1824.29) 4658.7,1814.96 v1(5301.18,1814.96)
  other v1: 5369.84,1706.18 5448.58,1706.18 5527.32,1706.18 5606.06,1706.18 5369.84,1784.92 5448.58,1784.92 5527.32,1784.92 5606.06,1784.92 5369.84,1863.66 5448.58,1863.66 5527.32,1863.66 5606.06,1863.66 5369.84,1942.4 5606.06,1942.4 5369.84,2021.14 5448.58,2021.14 5527.32,2021.14 5606.06,2021.14
NetC16_1: C16.1 R24.2 | length 76.1
  Top Layer w40: C16.1 R24.2
NetC16_2: C16.2 C19.2 pad.4 Q3.3 Q6.1 R12.2 U1.17 | length 2971.5
  Top Layer w10: U1.17 3474.84,1852.52 3474.84,1941.35 3491.89,1958.4 v1(3491.89,1962.09)
  Top Layer w30: R12.2 4508.66,1435.98 4586.38,1513.7 v1(4586.38,1564.07) ; C19.2 5300.2,2165.28 v1(5300.2,2205.71)
  Bottom Layer w30: v1(3491.89,1962.09) 3491.89,1976.7 3607.2,2092.01 4684.8,2092.01 ; v1(5300.2,2205.71) 5300.2,2128.66 5216.3,2044.76 4965.12,2044.76 4917.88,2092.01 4684.8,2092.01 ; v1(4586.38,1532.95) 4586.38,1525.08 v1(4586.38,1532.95) ; v1(4586.38,1532.95) v1(4586.38,1564.07) 4586.38,1993.58 4684.8,2092.01
  other v1: 5369.84,2099.88 5448.58,2099.88 5527.32,2099.88 5606.06,2099.88 5369.84,2178.62 5448.58,2178.62 5527.32,2178.62 5606.06,2178.62 5369.84,2257.36 5448.58,2257.36 5527.32,2257.36 5606.06,2257.36 5369.84,2336.1 5606.06,2336.1 5369.84,2414.84 5448.58,2414.84 5527.32,2414.84 5606.06,2414.84
NetC17_1: C17.1 R28.2 | length 80
  Top Layer w40: R28.2 C17.1
NetC18_1: C18.1 R29.2 | length 80
  Top Layer w40: R29.2 C18.1
NetC19_1: C19.1 R30.2 | length 80
  Top Layer w40: R30.2 C19.1
NetD1_1: D1.1 R2.1 | length 57
  Top Layer w10: D1.1 R2.1
NetD1_2: D1.2 J9.1 R1.1 U1.26 | length 1159.9
  Top Layer w10: v1(3076.21,1796.52) 3076.37,1796.36 3076.37,1666.98 v1(3076.54,1666.81) ; v1(3078.5,1359.72) 3078.5,1311.57 D1.2 ; R1.1 3280.99,1774.81 3312.05,1774.81 3320.27,1766.59 v1(3323.96,1766.59) ; v1@3322.6,1765.24 3325.32,1765.24 3362.72,1727.83 U1.26
  Bottom Layer w10: J9.1@2978.66,1988.98 3076.21,1891.43 v1(3076.21,1796.52) ; v1(3076.54,1666.81) 3077.52,1665.83 3077.52,1360.71 v1(3078.5,1359.72) ; 3078.66,1858.98 3272.4,1858.98 3323.96,1807.42 v1(3323.96,1766.59)
NetD2_1: D2.1 R6.1 | length 57
  Top Layer w10: D2.1 R6.1
NetJ1_1: J1.1 U1.31 | length 512.3
  Top Layer w10: J1.1 2988.66,1458.98 3256.73,1458.98 3415.12,1617.36 U1.31
NetJ3_1: J3.1 U1.30 | length 456.2
  Top Layer w10: J3.1 3330.08,1568.98 3389.53,1628.43 U1.30
NetJ3_2: J3.2 U1.28 | length 412.9
  Top Layer w10: v1(3332.44,1689.68) 3333.05,1689.07 U1.28@3382.72,1689.07
  Bottom Layer w10: J3.2 3018.18,1668.98 3038.89,1689.68 v1(3332.44,1689.68)
NetJ3_3: J3.3 R10.1 U1.27 | length 502.4
  Top Layer w10: R10.1 3280.96,1714.78 v1(3346.21,1714.78) 3349.89,1714.78 3356.52,1708.15 U1.27
  Bottom Layer w10: J3.3 2979.93,1767.7 3293.28,1767.7 v1(3346.21,1714.78)
NetJ3_4: J3.4 U1.29 | length 519.5
  Top Layer w10: J3.4 2984.25,1863.39 3053.03,1863.39 3174.96,1741.46 3174.96,1686.5 3193.35,1668.11 U1.29@3382.72,1668.11
NetJ4_1: J4.1 U1.32 | length 389.9
  Top Layer w10: J4.1 3398.35,1283.66 3398.35,1313.35 3434.8,1349.8 U1.32
NetJ4_2: J4.2 U1.33 | length 372.5
  Top Layer w10: U1.33 3454.49,1424.68 3473.66,1405.51 J4.2
NetJ4_3: J4.3 U1.34 | length 405.7
  Top Layer w10: U1.34 3474.17,1436.5 3573.66,1337.01 J4.3
NetJ4_4: J4.4 U1.35 | length 443
  Top Layer w10: U1.35 3493.86,1448.31 3644.06,1298.11 3650.86,1298.11 3673.66,1275.3 J4.4
NetJ4_5: J4.5 U1.36 | length 521.9
  Top Layer w10: U1.36 3513.54,1460.12 3641.5,1332.17 3726.14,1332.17 3773.66,1284.65 J4.5
NetJ4_6: J4.6 U1.37 | length 592.2
  Top Layer w10: U1.37 3533.23,1467.99 3653.31,1347.91 3801.27,1347.91 3873.66,1275.52 J4.6
NetJ5_1: J5.1 U1.23 | length 683.2
  Top Layer w8: J5.1 3004.35,2213.29 3100.92,2213.29 3346.46,1967.76 3346.46,1822.48 3382.05,1786.89 U1.23
NetJ5_2: J5.2 U1.22 | length 716.5
  Top Layer w8: J5.2 2994.92,2338.98 3358.46,1975.44 3358.46,1830.17 3382.05,1806.57 U1.22
NetJ5_3: J5.3 U1.21 | length 803
  Top Layer w8: J5.3 3003.19,2438.98 3056.85,2385.32 3056.85,2296.73 3371.81,1981.77 3371.81,1834.13 3379.35,1826.59 3389.2,1826.59 U1.21
NetJ7_1: J7.1 U2.2 | length 631.3
  Top Layer w10: U2.2 4228.66,1658.98 v1(4248.66,1638.98) ; v1(4303.35,1638.98) 4303.35,1637.44 4321.54,1619.25 4321.54,1494.37 4344.41,1471.5 4344.41,1413.23 4444.29,1313.35 4483.98,1313.35 4508.66,1288.66 J7.1
  Bottom Layer w10: v1(4248.66,1638.98) v1(4303.35,1638.98)
NetJ7_2: J7.2 U2.1 | length 513.8
  Top Layer w10: U2.1 4278.66,1566.97 4303.66,1541.97 4303.66,1486.97 4326.54,1464.1 4326.54,1341.1 J7.2
NetJ7_3: J7.3 U2.14 | length 259.8
  Top Layer w10: U2.14 4278.66,1486.69 4308.66,1456.69 J7.3
NetQ1_2: Q1.2 U1.6 | length 2530.5
  Top Layer w10: U1.6 3644.92,1747.52 3662.64,1765.24 v1(3665.12,1765.24)
  Top Layer w30: v1(5667.32,1662.4) 5667.32,1623.8 Q1.2
  Bottom Layer w30: v1(3665.12,1765.24) 3656.51,1756.63 3655.66,1756.63 3637.56,1738.53 3637.56,1564.51 3822.66,1379.41 5384.33,1379.41 v1(5667.32,1662.4)
NetQ2_2: Q2.2 U1.15 | length 2482.9
  Top Layer w10: U1.15 3513.54,1914.86 3550.29,1951.61 3571.96,1951.61 v1(3574.57,1954.21)
  Top Layer w30: v1(4535.2,2056.57) v1(4566.69,2056.57) v1(4598.19,2056.57) v1(4701.39,2056.57) v1(4732.47,2056.57) v1(4763.54,2056.57) ; v1(5668.31,2059.06) 5668.42,2058.94 Q2.2
  Bottom Layer w30: v1(3574.57,1954.21) 3676.93,2056.57 v1(4535.2,2056.57) v1(4566.69,2056.57) v1(4598.19,2056.57) ; v1(4701.39,2056.57) v1(4732.47,2056.57) v1(4763.54,2056.57) 4905.23,2056.57 4951.04,2010.76 5230.38,2010.76 5278.67,2059.06 v1(5668.31,2059.06)
NetQ3_2: Q3.2 U1.16 | length 2505.9
  Top Layer w10: U1.16 3493.86,1926.9 3539.13,1972.18 v1(3539.13,1973.9)
  Top Layer w30: v1(3617.87,2053.02) 4468.65,2053.02 v1(4578.5,2162.87) ; v1(5668.31,2448.82) 5668.31,2411.18 Q3.2
  Bottom Layer w30: v1(3539.13,1973.9) 3617.87,2052.64 v1(3617.87,2053.02) ; v1(4578.5,2162.87) 4858.62,2442.99 4964.53,2442.99 4970.36,2448.82 v1(5668.31,2448.82)
NetQ4_2: Q4.2 U1.8 | length 1630.2
  Top Layer w10: U1.8 3637.1,1786.89 3683.58,1833.37 3683.58,1846.94 3698.61,1861.97 v1(3698.61,1865.65)
  Top Layer w20: v1(4340.1,1857.98) 4575.26,1622.82 5088.15,1622.82 5088.39,1623.06 Q4.2
  Bottom Layer w30: v1(3698.61,1865.65) 3702.51,1869.56 4208.4,1869.56 4215.31,1862.65 4335.42,1862.65 v1(4340.1,1857.98)
NetQ4_3: Q4.3 R28.1 R31.2 U1.9 | length 1782.1
  Top Layer w10: U1.9 3624.02,1806.57 3630.37,1812.93 3633.03,1812.93 3669.58,1849.48 3669.58,1866.19 3717.85,1914.46 4254.05,1914.46 4564.69,1603.82 4795.04,1603.82 4952.52,1446.34 4952.52,1381.74 4982.41,1351.85 R31.2
  other v1: 4966.3,1253.43 5005.67,1253.43 5045.04,1253.43 5084.41,1253.43 5127.72,1253.43 5167.09,1253.43 5202.52,1253.43 4966.3,1292.8 5005.67,1292.8 5127.72,1292.8 5167.09,1292.8 4966.3,1332.17 5127.72,1332.17 5167.09,1332.17 4985.98,1460.12 5045.04,1460.12 4926.93,1519.17 4985.98,1519.17 5045.04,1519.17 4867.87,1578.23 4926.93,1578.23 4985.98,1578.23 5045.04,1578.23
NetQ5_2: Q5.2 U1.13 | length 1632.5
  Top Layer w10: U1.13 3553.58,1852.52 3553.58,1887.85 3565.76,1900.03
  Top Layer w20: 3565.76,1900.03 3661.19,1995.46 4914.34,1995.46 4935.63,2016.76 Q5.2
NetQ5_3: Q5.3 R29.1 R32.2 U1.12 | length 1701.4
  Top Layer w10: U1.12 3572.6,1879.77 3669.29,1976.46 4816.21,1976.46 4950.57,1842.11 4950.57,1781.05 4986.06,1745.55 R32.2
  other v1: 4966.3,1656.97 5005.67,1656.97 4966.3,1696.34 5005.67,1696.34 5127.72,1696.34 5167.09,1696.34 5127.72,1735.71 5168.2,1737.38 5025.35,1775.08 5127.72,1775.08 5167.09,1775.08 4985.98,1853.82 5045.04,1853.82 4926.93,1912.87 4985.98,1912.87 5045.04,1912.87 4926.93,1971.93 4985.98,1971.93 5045.04,1971.93
NetQ6_2: Q6.2 U1.18 | length 1939.2
  Top Layer w10: U1.18 3455.1,1852.46 3455.1,1957.54 v1(3455.71,1958.15)
  Top Layer w20: v1(5040.35,2402.56) 5041.33,2402.56 5049.07,2410.3 5086.46,2410.3 Q6.2
  Bottom Layer w20: v1(3455.71,1958.15) 3456.4,1958.84 3456.4,1982.23 3605.55,2131.38 4594.25,2131.38 4865.91,2403.03 5039.88,2403.03 v1(5040.35,2402.56)
NetQ6_3: Q6.3 R30.1 R33.2 U1.19 | length 1857.5
  Top Layer w10: U1.19 3434.8,1975.87 3473.4,2014.46 4906.47,2014.46 4954.5,2062.5 4954.5,2107.02 4986.73,2139.25 R33.2
  other v1: 5129.69,2092.01 5169.06,2092.01 5129.69,2131.38 5170.16,2133.05 5129.69,2170.75 5169.06,2170.75 4976.14,2188.46 4976.14,2237.68 5035.2,2237.68 4976.14,2277.05 5035.2,2277.05 4976.14,2316.42 5035.2,2316.42
NetR11_1: R11.1 R15.2 U2.4 U2.6 U2.8 | length 641.6
  Top Layer w20: R15.2 R11.1 ; R15.2@3839.33,1450.28 v1(3873.78,1450.28) ; v1(3979.28,1448.27) 3978.97,1448.58 3978.97,1506.07 U2.8 3978.66,1649.29 U2.6@4028.66,1699.29 ; U2.6 4028.66,1698.98 4063.66,1663.98 4093.35,1663.98 4127.48,1698.11 4127.48,1717.79 U2.4
  Bottom Layer w20: v1(3873.78,1450.28) 3976.29,1450.28 3978.3,1448.27 v1(3979.28,1448.27)
VBUS: C1.2 C2.2 C3.2 C4.1 C5.1 J2.1 Q1.1 Q2.1 Q3.1 R11.2 R22.1 R23.1 R24.1 U1.3 U1.4
  other v1: 5822.6,1194.37 5919.45,1194.37 5822.6,1292.8 5919.45,1292.8 5822.6,1391.22 5919.45,1391.22 5919.45,1489.65 3771.42,1556.57 3808.82,1556.57 3846.22,1556.57 3771.42,1588.07 3808.82,1588.07 5919.45,1588.07 3771.42,1627.44 3771.42,1666.81 5822.6,1686.5 5919.45,1686.5 3865.91,1721.93 3865.91,1757.36 5822.6,1784.92 5919.45,1784.92 3826.54,1792.8 5921.02,1883.35 5919.45,1981.77 5822.6,2080.2 5919.45,2080.2 5822.6,2178.62 5919.45,2178.62 3361.97,2217.99 3461.18,2217.99 3560.39,2217.99 3659.61,2217.99 3758.82,2217.99 3858.03,2217.99 3957.24,2217.99 4056.46,2217.99 4155.67,2217.99 4254.88,2217.99 4354.09,2217.99 5920.23,2277.05 3361.97,2306.57 3461.18,2306.57 3560.39,2306.57 3659.61,2306.57 3758.82,2306.57 3858.03,2306.57 3957.24,2306.57 4056.46,2306.57 4155.67,2306.57 4254.88,2306.57 4354.09,2306.57 4465.12,2306.57 5920.23,2375.47 3261.97,2395.16 3460.39,2395.16 3559.61,2395.16 3658.82,2395.16 3758.03,2395.16 3957.24,2395.16 4056.46,2395.16 4155.67,2395.16 4254.88,2395.16 4354.09,2395.16 4465.12,2395.16 4564.33,2395.16 4661.18,2395.16 4758.03,2395.16 4758.03,2473.9 4854.88,2473.9 4951.73,2473.9 5823.38,2473.9 5920.23,2473.9 4564.33,2483.74 4564.33,2572.32 4758.03,2572.32 4854.88,2572.32 4951.73,2572.32 5048.58,2572.32 5145.43,2572.32 5242.28,2572.32 5339.13,2572.32 5435.98,2572.32 5532.83,2572.32 5629.68,2572.32 5726.53,2572.32 5823.38,2572.32 5920.23,2572.32 4564.33,2670.75 4661.18,2670.75 4758.03,2670.75 4854.88,2670.75 4951.73,2670.75 5048.58,2670.75 5145.43,2670.75 5242.28,2670.75 5339.13,2670.75 5435.98,2670.75 5532.83,2670.75 5629.68,2670.75 5726.53,2670.75 5823.38,2670.75 5920.23,2670.75
VCC: C7.2 C10.2 J10.1 R1.2 R2.2 R6.2 R10.2 U1.24 | length 1061.8
  Top Layer w10: R10.2 R1.2 3217.17,1775.94 3256.73,1815.51 3264.61,1815.51 3279.29,1830.2 C7.2 ; v1(3263.54,1359.72) 3263.54,1309.53 R2.2 R6.2 ; v1(3279.29,1879.41) C7.2 ; U1.24 3388.86,1767.87 3378.27,1767.87 3313.98,1832.17 C7.2 ; C10.2 4188.5,1861.46 4219.09,1830.87 4219.09,1764 4203.98,1748.89 4203.98,1476.47 4248.66,1431.78 v1(4248.66,1300.8)
pads on no net: U2.10 U2.11 U2.13

## Polygon pours and split planes (outlines as drawn)
GND on Top Layer "GND_POWER_TOP" (solid, pour order 117): 2873.78,2729.5 2873.78,2395.16 2897.4,2371.54 4464.33,2371.54 4464.33,2733.7
GND on Top Layer "GND_SHUNT_TOP" (solid, pour order 116): 4696.61,1158.94 5728.11,1158.94 5728.11,2509.33 4696.61,2509.33
NetQ4_3 on Top Layer "PHASE_A_SHUNT_TOP" (solid, pour order 109): 4944.65,1463.31 4944.65,1217.99 5243.86,1217.99 5259.61,1233.74 5259.61,1414.84 5125.75,1414.84 5125.75,1643.19 4772.42,1643.19
NetQ5_3 on Top Layer "PHASE_B_SHUNT_TOP" (solid, pour order 107): 4952.52,2032.95 4909.21,1989.65 4822.6,1989.65 4822.6,1946.34 4944.65,1824.29 4944.65,1637.67 5259.13,1637.67 5259.13,1810.51 5125.28,1810.51 5125.28,2032.95
NetQ6_3 on Top Layer "PHASE_C_SHUNT_TOP" (solid, pour order 105): 5259.61,2031.37 5259.61,2202.24 5125.75,2202.24 5125.75,2383.35 4948.58,2383.35 4948.58,2031.37
VBUS on Top Layer "VBUS_TOP" (solid, pour order 104): 3667.09,1903.03 3598.19,1834.13 3598.19,1627.44 3755.67,1469.96 3898.69,1477.21 3896.55,1903.03
VBUS on Top Layer "VBUS_TOP" (solid, pour order 103): 4464.33,2418.55 3232.05,2420.57 3232.05,2327.75 3338.35,2182.56 4458.47,2182.56 4621.4,2344.97 4881.36,2344.97 5125.75,2344.97 5676.64,2470.96 5724.17,2423.42 5724.17,1152.06 5991.6,1152.06 6050.65,1211.12 6050.65,2667.81 5975.85,2742.61 4464.33,2742.61
NetC15_2 on Top Layer "PHASE_B_TOP" (solid, pour order 100): 5125.75,2072.15 5125.75,1804.61 5251.73,1804.61 5251.73,1682.56 5708.43,1682.56 5724.17,1698.31 5724.17,2073.52
NetC16_2 on Top Layer "PHASE_C_TOP" (solid, pour order 98): 5125.75,2466.02 5125.75,2198.31 5251.73,2198.31 5251.73,2080.2 5712.36,2080.2 5724.17,2092.01 5724.17,2477.83 5125.75,2477.83
GND on Top Layer "GND_TOP" (solid, pour order 111): 2877.58,2410.91 4711.84,2410.91 4711.84,1152.24 2877.58,1152.24
NetC14_2 on Top Layer "PHASE_A_TOP" (solid, pour order 102): 5129.69,1403.03 5250.44,1403.03 5250.44,1233.74 5722.88,1233.74 5722.88,1679.01 5129.69,1677.76
NetC16_2 on Layer 2 "PHASE_C_LAYER_2" (solid, pour order 101): 5125.75,2477.83 5125.75,2466.02 5125.75,2198.31 5129.69,2202.24 5259.61,2202.24 5259.61,2143.19 5259.61,2080.2 5712.36,2080.2 5724.17,2092.01 5724.17,2477.83
NetQ6_3 on Layer 2 "PHASE_C_SHUNT_LAYER_2" (solid, pour order 106): 5255.67,2056.57 5259.61,2060.51 5259.61,2202.24 5125.75,2202.24 5125.75,2383.35 4948.58,2383.35 4948.58,2056.57
NetC15_2 on Layer 2 "PHASE_B_LAYER_2" (solid, pour order 108): 5121.81,2076.26 5125.75,2072.32 5125.75,1804.61 5251.73,1804.61 5251.73,1686.5 5712.36,1686.5 5724.17,1698.31 5724.17,2084.13 5121.81,2084.13 5117.87,2088.07
NetQ4_3 on Layer 2 "PHASE_A_SHUNT_LAYER_2" (solid, pour order 113): 4948.58,1460.12 4800.94,1607.76 4936.77,1607.76 5125.75,1607.76 5125.75,1414.84 5259.61,1414.84 5259.61,1273.11 5210.39,1223.9 4948.58,1223.9
VBUS on Layer 2 "VBUS_LAYER_2" (solid, pour order 114): 2889.53,2186.5 3247.8,2186.5 3385.59,2048.7 3385.59,1312.48 4251.73,1312.48 4259.61,1320.35 4259.61,1151.06 5991.89,1151.06 6050.94,1210.12 6050.94,2666.81 5976.14,2741.61 2889.53,2741.61
VCC on Layer 2 "VCC_LAYER_2" (solid, pour order 115): 3397.4,1615.63 3397.4,1332.17 4263.54,1332.17 4271.42,1332.17 4271.42,1155 3326.54,1155 3322.6,1151.06 2960.39,1151.06 2952.52,1143.19 2885.59,1210.12 2885.59,2202.24 3263.54,2202.24 3397.4,2068.39
NetQ5_3 on Layer 2 "PHASE_B_SHUNT_LAYER_2" (solid, pour order 112): 4822.36,1982.29 4946.61,1843.98 4948.58,1842.01 4948.58,1611.69 5204.49,1611.69 5259.61,1666.81 5259.61,1808.54 5125.75,1808.54 5125.75,1989.65
NetC14_2 on Layer 2 "PHASE_A_LAYER_2" (solid, pour order 110): 5122.69,1682.49 5125.75,1682.49 5125.75,1410.91 5251.73,1410.91 5251.73,1292.8 5712.36,1292.8 5724.17,1304.61 5724.17,1686.88 5269.05,1685.98
GND on Layer 1 "GND_LAYER_1" (solid, pour order 97): 2893.7,1244.72 ccw(c2977.01,1244.72) 2977.01,1161.42 5950.16,1161.42 ccw(c5950.16,1244.72) 6033.46,1244.72 6033.46,2633.23 ccw(c5950.16,2633.23) 5950.16,2716.54 2977.19,2716.54 ccw(c2977.01,2633.23) 2893.7,2633.23
GND on Bottom Layer "GND_BOT" (solid, pour order 99): 2893.7,1244.72 ccw(c2977.01,1244.72) 2977.01,1161.42 5950.16,1161.42 ccw(c5950.16,1244.72) 6033.46,1244.72 6033.46,2633.23 ccw(c5950.16,2633.23) 5950.16,2716.54 2977.19,2716.54 ccw(c2977.01,2633.23) 2893.7,2633.23

## Keep-outs
Keep-Out Layer:
  the board outline again, w10

## Silkscreen, mask and mechanical layers (free items; w line width, h text height)
Top Overlay:
  drawing of 6 lines, arcs and shapes, not listed
  text "+" at 4572.6,2414.84 h275.59 r270
  text "BLDC MOTOR CONTROLLER / JASON S. / FEB 2022 / REV 1" at 4779.29,2385.32 h70
  text "-" at 4375.75,2217.99 h472.44 r90
  text "PHASE C" at 5404.02,2210.12 h40
  text "PHASE B" at 5407.61,1816.42 h40
  text "PHASE A" at 5404.02,1422.72 h40
  text "nFAULT" at 2924.96,1296.73 h39.37
  text "POWER" at 2924.96,1225.87 h39.37
Bottom Overlay:
  text "MAX VOLTAGE 25.2V / MAX CURRENT 40A" at 4119.84,2710.12 h78.74 r180
  text "SOC" at 3134.41,2425 h40
  text "-" at 4375.75,2414.84 h472.44 r90
  text "SOB" at 3133.89,2325 h40
  text "SOA" at 3133.89,2225 h40
  text "+" at 4572.6,2217.99 h275.59 r270
  text "VCC" at 3139.95,2095 h40
  text "nFAULT" at 3190.02,1965 h40
  text "SCLK" at 3151.67,1855 h40
  text "SDO" at 3134.2,1755 h40
  text "SDI" at 3117.41,1655 h40
  text "nSCS" at 3149.13,1555 h40
  text "ENABLE" at 3199.95,1435 h40
  text "GATE DRIVER INPUT" at 3814.72,1388.14 h40
  text "BEMF ADC" at 4179.03,1388.14 h40
  text "BEMF COMPARATOR" at 4533.23,1388.14 h40
  text "HA" at 3397.47,1335.59 h40
  text "LA" at 3497.08,1335.59 h40
  text "HB" at 3596.1,1335.59 h40
  text "LB" at 3696.1,1335.59 h40
  text "B" at 4100.63,1335.59 h40
  text "A" at 4200.63,1336.03 h40
  text "A" at 4320.63,1336.03 h40
  text "B" at 4420.63,1336.03 h40
  text "HC" at 3797.34,1335.16 h40
  text "LC" at 3897.34,1335.16 h40
  text "C" at 3999.98,1335.15 h40
  text "C" at 4519.98,1335.15 h40

## Text inside footprints (layer, text, board x,y; h text height)
C4: Top Overlay "+" at 3391.82,2244.29 h78.74 r90
C5: Top Overlay "+" at 3921.82,2244.29 h78.74 r90